# KiCad board V1.1_version_control.kicad_pcb (continued)
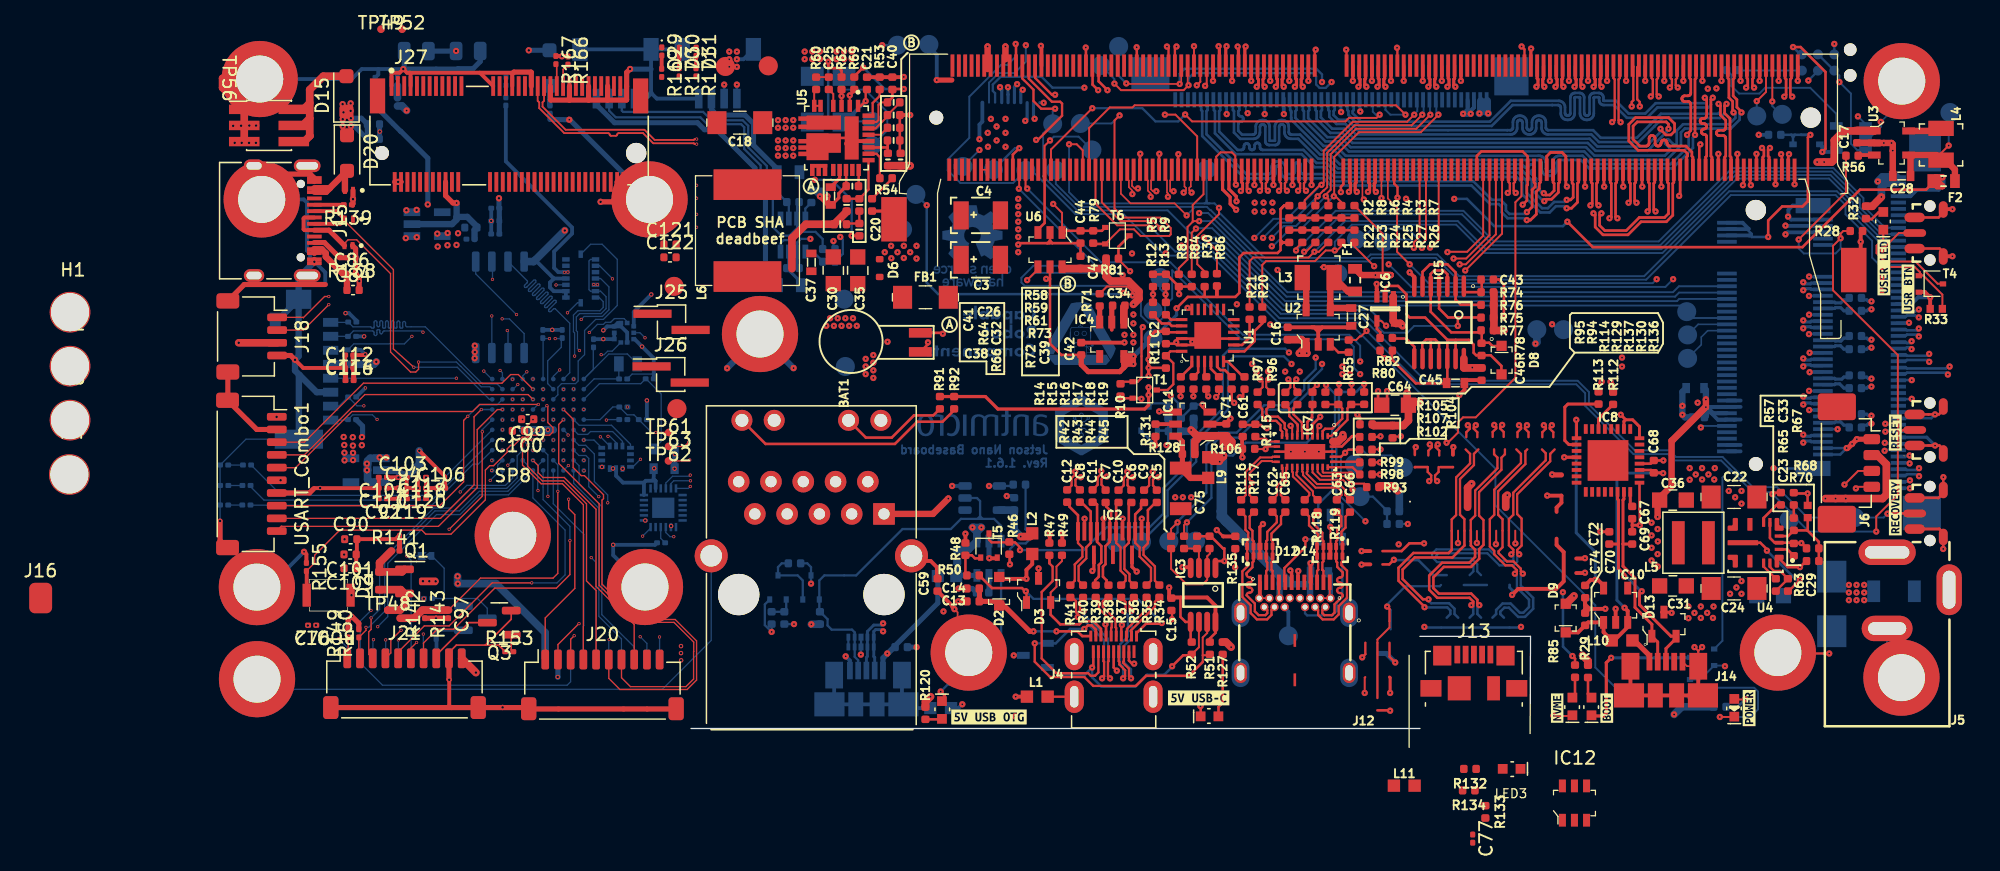
[diagram p0: board, top side]
## Routing (per net, layer and track width the routed paths; a pad name or vN(x,y) marks a point on that pad's centre or on a via; arc(x,y) is an arc through that point) (continued)
/Display/TMDS_D0_P: length 70.7
  Top w0.18: v1(32.71,21.33) 32.49,21.33 32.29,21.13 32.29,20.68 32.64,20.33
  Top w0.25: v1(68.01,52.03) 68.13,52.15 68.13,52.61 68.07,52.68 68.07,53.69
  In3_SIGNAL.Cu w0.18: v1(68.01,52.03) 68.17,51.87 68.17,50.79 65.28,47.9 34.84,47.9 31.49,44.54 31.49,35.96 30.49,34.96 30.49,28.1 30.49,28.07 30.48,28.04 30.46,28.01 30.44,27.99 30.41,27.97 30.38,27.96 30.35,27.96 30.17,27.96 30.08,27.94 29.99,27.91 29.91,27.86 29.84,27.8 29.79,27.72 29.76,27.63 29.75,27.53 29.75,27.41 29.76,27.31 29.79,27.22 29.84,27.14 29.91,27.08 29.99,27.03 30.08,27 30.17,26.99 30.35,26.99 30.38,26.98 30.41,26.97 30.44,26.95 30.46,26.93 30.48,26.9 30.49,26.88 30.49,26.84 30.49,26.8 30.49,26.77 30.48,26.74 30.46,26.71 30.44,26.69 30.41,26.67 30.38,26.66 30.35,26.66 30.17,26.66 30.08,26.64 29.99,26.61 29.91,26.56 29.84,26.5 29.79,26.42 29.76,26.33 29.75,26.23 29.75,26.11 29.76,26.01 29.79,25.92 29.84,25.84 29.91,25.78 29.99,25.73 30.08,25.7 30.17,25.69 30.35,25.69 30.38,25.68 30.41,25.67 30.44,25.65 30.46,25.63 30.48,25.6 30.49,25.58 30.49,25.54 30.49,23.12 31.81,21.8 31.81,21.54 32.05,21.3 32.49,21.3 32.52,21.33 v1(32.71,21.33)
/Display/TMDS_D1_C_N: length 9.4
  Top w0.18: R37.2 34.19,11.46 34.19,10.91 v1(34.03,10.75) ; J4.8 33.65,6.79 33.7,6.74 33.7,6.53 34.15,6.07 34.15,5.6 v1(33.99,5.44)
  Bottom w0.18: v1(33.99,5.44) 33.99,6.34 33.76,6.57 33.76,8.12 34.37,8.73 34.37,10.41 v1(34.03,10.75)
/Display/TMDS_D1_C_P: length 9.4
  Top w0.18: v1(34.67,10.76) 34.5,10.93 34.5,11.46 R36.2 ; J4.6 34.05,6.79 34,6.74 34,6.65 34.46,6.2 34.46,5.6 v1(34.62,5.44)
  Bottom w0.18: v1(34.62,5.44) 34.62,6.15 34.06,6.7 34.06,7.99 34.67,8.6 34.67,10.76 v1(34.67,10.76)
/Display/TMDS_D1_N: length 70.7
  Top w0.18: 33.69,20.28 34.04,20.63 34.04,21.21 34.32,21.49 v1(34.32,21.72)
  Top w0.25: v1(70.13,52.03) 70.01,52.15 70.01,52.61 70.07,52.68 70.07,53.69
  In3_SIGNAL.Cu w0.18: v1(70.13,52.03) 69.97,51.87 69.97,50.11 66.75,46.89 39.75,46.89 38.81,45.95 34.71,45.95 32.69,43.93 32.69,35.13 32.09,34.53 32.09,31.71 32.1,31.68 32.11,31.65 32.13,31.62 32.15,31.6 32.18,31.58 32.21,31.57 32.24,31.57 32.42,31.57 32.52,31.56 32.61,31.52 32.69,31.47 32.75,31.41 32.8,31.32 32.84,31.23 32.85,31.14 32.85,31.02 32.84,30.93 32.8,30.84 32.75,30.76 32.69,30.69 32.61,30.64 32.52,30.61 32.42,30.6 32.24,30.6 32.21,30.59 32.18,30.58 32.15,30.56 32.13,30.54 32.11,30.51 32.1,30.48 32.09,30.45 32.09,23.49 33.11,22.48 33.14,22.45 33.18,22.44 33.21,22.43 33.25,22.43 33.29,22.44 33.33,22.45 33.36,22.48 33.49,22.6 33.52,22.63 33.55,22.65 33.59,22.66 33.63,22.66 33.67,22.65 33.71,22.63 33.74,22.6 33.77,22.57 33.78,22.54 33.79,22.5 33.79,22.46 33.78,22.42 33.77,22.38 33.74,22.35 33.62,22.23 33.59,22.19 33.57,22.16 33.57,22.12 33.57,22.08 33.57,22.04 33.59,22 33.62,21.97 33.89,21.7 34.3,21.7 v1(34.32,21.72)
/Display/TMDS_D1_P: length 70.7
  Top w0.18: 34.69,20.28 34.34,20.63 34.34,21.08 34.54,21.28 v1(34.76,21.28)
  Top w0.25: v1(69.51,52.03) 69.63,52.15 69.63,52.61 69.57,52.68 M1.71
  In3_SIGNAL.Cu w0.18: v1(34.76,21.28) 34.73,21.25 33.91,21.25 31.79,23.37 31.79,30.47 31.8,30.57 31.83,30.66 31.88,30.74 31.95,30.81 32.03,30.86 32.12,30.89 32.22,30.9 32.39,30.9 32.43,30.9 32.46,30.92 32.49,30.93 32.51,30.96 32.53,30.98 32.54,31.02 32.54,31.05 32.54,31.11 32.54,31.15 32.53,31.18 32.51,31.21 32.49,31.23 32.46,31.25 32.43,31.26 32.39,31.26 32.22,31.26 32.12,31.27 32.03,31.3 31.95,31.35 31.88,31.42 31.83,31.5 31.8,31.59 31.79,31.69 31.79,34.66 32.39,35.26 32.39,44.06 34.58,46.25 38.68,46.25 39.63,47.2 66.63,47.2 69.67,50.24 69.67,51.87 v1(69.51,52.03)
/Display/TMDS_D2_C_N: length 4
  Top w0.18: J4.5 34.25,9.07 34.3,9.12 34.3,9.33 36.19,11.22 36.19,11.46 R35.2
/Display/TMDS_D2_C_P: length 4
  Top w0.18: J4.3 34.65,9.07 34.6,9.12 34.6,9.2 36.49,11.09 36.49,11.46 R34.2
/Display/TMDS_D2_N: length 70.8
  Top w0.18: v1(36.32,21.72) 36.32,21.49 36.04,21.21 36.04,20.63 35.69,20.28
  Top w0.25: v1(71.63,52.03) 71.51,52.15 71.51,52.61 71.57,52.68 71.57,53.69
  In3_SIGNAL.Cu w0.18: v1(36.32,21.72) 36.18,21.58 36.07,21.58 35.65,22 35.62,22.04 35.61,22.07 35.6,22.11 35.6,22.15 35.61,22.19 35.62,22.23 35.65,22.26 35.74,22.35 35.76,22.38 35.78,22.41 35.79,22.45 35.79,22.49 35.78,22.53 35.76,22.57 35.74,22.6 35.71,22.63 35.67,22.64 35.63,22.65 35.59,22.65 35.55,22.64 35.51,22.63 35.48,22.6 35.39,22.51 35.36,22.49 35.33,22.47 35.29,22.46 35.25,22.46 35.21,22.47 35.17,22.49 35.14,22.51 33.49,24.16 33.49,26.44 33.5,26.46 33.5,26.48 33.51,26.5 33.53,26.52 33.55,26.53 33.57,26.54 33.59,26.54 33.76,26.54 33.85,26.55 33.93,26.57 34,26.62 34.06,26.68 34.1,26.75 34.13,26.83 34.14,26.91 34.14,27.13 34.13,27.22 34.1,27.29 34.06,27.37 34,27.43 33.93,27.47 33.85,27.5 33.76,27.51 33.59,27.51 33.57,27.51 33.55,27.52 33.53,27.53 33.51,27.54 33.5,27.56 33.5,27.58 33.49,27.6 33.49,43.23 35.1,44.84 38.8,44.84 40.1,46.14 67.45,46.14 71.47,50.16 71.47,51.87 v1(71.63,52.03)
/Display/TMDS_D2_P: length 70.8
  Top w0.18: 36.69,20.28 36.34,20.63 36.34,21.08 36.54,21.28 v1(36.76,21.28)
  Top w0.25: v1(71.01,52.03) 71.13,52.15 71.13,52.61 71.07,52.68 71.07,53.69
  In3_SIGNAL.Cu w0.18: v1(36.76,21.28) 36.57,21.28 36.54,21.25 36.1,21.25 36.07,21.28 35.95,21.28 33.19,24.03 33.19,26.47 33.2,26.55 33.23,26.63 33.27,26.7 33.33,26.76 33.4,26.81 33.48,26.83 33.57,26.84 33.74,26.84 33.76,26.85 33.78,26.85 33.8,26.86 33.81,26.88 33.83,26.9 33.83,26.92 33.84,26.94 33.84,27.11 33.83,27.13 33.83,27.15 33.81,27.17 33.8,27.18 33.78,27.19 33.76,27.2 33.74,27.2 33.57,27.2 33.48,27.21 33.4,27.24 33.33,27.28 33.27,27.34 33.23,27.42 33.2,27.5 33.19,27.58 33.19,43.36 34.98,45.15 38.68,45.15 39.98,46.45 67.33,46.45 71.17,50.29 71.17,51.87 v1(71.01,52.03)
/Display/TMDS_HPD_IN: length 19.4
  Top w0.18: v1(26.34,12.3) 26.39,12.25 D3.1
  Top w0.2: J4.1 35.05,8.99 35.8,9.74 36.99,9.74 v1(37.04,9.8) ; R50.1 23.68,12.55 26.04,12.55 26.29,12.3 v1(26.34,12.3)
  Bottom w0.18: v1(37.04,9.8) 35.14,11.7 26.94,11.7 v1(26.34,12.3)
/Display/TMDS_SCL: length 46.7
  Top w0.15: M1.100 62.32,40.29 61.06,39.03 59.53,39.03 v1(59.51,39.01) ; v1(38.28,17.72) 37.77,17.21 37.77,16.63
  In3_SIGNAL.Cu w0.15: v1(49.14,30.7) 49.34,30.9 49.34,32.79 51.95,35.4 57.24,35.4 59.44,37.6 59.44,38.94 v1(59.51,39.01)
  Bottom w0.18: v1(49.14,30.7) 49.14,29.8 48.24,28.9 48.24,28.2 46.99,26.95 45.09,26.95 42.93,24.79 41.5,24.79 40.54,23.83 40.54,20.05 38.28,17.78 v1(38.28,17.72) 38.28,16.93 TP28.1
/Display/TMDS_SCL_5V0: length 26.1
  Top w0.15: IC3.7 40.61,9 40.26,8.65 40.26,7.26 ; 40.81,7.26 40.26,7.26 40.26,7.26 ; 40.26,7.26 40.26,6.72
  Top w0.18: v1(27.04,8.2) 27.04,6.75 28.25,5.54 30.95,5.54 31.65,4.84 35,4.84
  Top w0.2: J4.17 31.85,9.28 31.51,9.61 31.22,9.61 v1(30.94,9.33) ; 40.26,6.72 39.17,5.64 35.8,5.64 35,4.84
  Bottom w0.18: v1(27.04,8.2) D4.1
  Bottom w0.2: v1(30.94,9.33) 29.82,9.33 28.69,8.2 D4.1
/Display/TMDS_SDA: length 46.3
  Top w0.15: M1.98 62.82,40.33 60.98,38.5 v1(59.99,38.5) ; v1(39.01,17.72) 38.79,17.5 38.79,16.63
  In3_SIGNAL.Cu w0.15: v1(49.64,30.2) 49.69,30.25 49.69,32.65 52.04,35 57.43,35 59.94,37.51 59.94,38.45 v1(59.99,38.5)
  Bottom w0.18: v1(49.64,30.2) 49.64,29.8 48.59,28.74 48.59,27.99 47.19,26.6 45.29,26.6 43.09,24.4 41.59,24.4 40.94,23.75 40.94,19.65 v1(39.01,17.72) 39.01,16.93 TP29.1
/Display/TMDS_SDA_5V0: length 18
  Top w0.15: 39.39,7.26 39.39,7.26 ; R52.2 39.96,7.89 39.96,9.88
  Top w0.2: J4.18 31.65,6.39 v1(31.55,6.29) ; 39.39,7.25 38.71,7.25 v1(37.85,6.39)
  Bottom w0.2: D4.2 28.29,6.3 28.84,5.75 31.01,5.75 v1(31.55,6.29) 31.55,5.52 32.28,4.79 34.95,4.79 35.88,5.71 37.23,5.71 37.85,6.34 v1(37.85,6.39)
/ID Serial/EEPROM_PWR: length 12.5
  Top w0.2: v1(89,46.89) 89.25,47.14 89.25,53.19 87.29,55.15 v1(86.7,55.15)
  Bottom w0.2: v1(86.7,55.15) 87.27,54.57 TP1.1
  Bottom w0.3: D1.C 89,47.3 v1(89,46.89) 89.95,46.89 IC1.4
/ID Serial/SN_WP: length 11.9
  Bottom w0.15: R1.1 81.85,52.96 81.85,52.09 82.45,51.49 84.05,51.49 84.5,51.94 88.05,51.94 90.1,49.89 IC1.5
/Interfaces/C_PCIE0_TX0_N: length 2.2
  Bottom w0.25: J7.47 89.96,34.56 90.02,34.63 90.45,34.63 90.7,34.38 91.12,34.38
/Interfaces/C_PCIE0_TX0_P: length 2.2
  Bottom w0.25: J7.49 89.96,35.06 90.02,35 90.45,35 90.7,35.25 91.12,35.25
/Interfaces/C_PCIE0_TX1_N: length 2.2
  Bottom w0.25: 91.12,31.36 90.7,31.36 90.43,31.63 90.02,31.63 89.96,31.56 J7.35
/Interfaces/C_PCIE0_TX1_P: length 2.2
  Bottom w0.25: J7.37 89.96,32.06 90.02,32 90.47,32 90.7,32.23 91.12,32.23
/Interfaces/C_PCIE0_TX2_N: length 2.2
  Bottom w0.25: 91.12,28.29 90.7,28.29 90.36,28.63 90.02,28.63 89.96,28.56 J7.23
/Interfaces/C_PCIE0_TX2_P: length 2.2
  Bottom w0.25: 91.12,29.17 90.7,29.17 90.53,29 90.02,29 89.96,29.06 J7.25
/Interfaces/C_PCIE0_TX3_N: length 2.2
  Bottom w0.25: 91.12,25.37 90.7,25.37 90.44,25.63 90.02,25.63 89.96,25.56 J7.11
/Interfaces/C_PCIE0_TX3_P: length 2.2
  Bottom w0.25: 91.12,26.25 90.7,26.25 90.45,26 90.02,26 89.96,26.06 J7.13
/Interfaces/CANH: length 25.5
  Bottom w0.18: J8.2 -6.44,50.14 -5.92,49.62 0.74,49.62 1.28,49.08 3.94,49.08 4.19,48.83 4.19,47.12 5.48,45.83 5.48,44.42 6.44,43.46 6.44,40.98 7.12,40.3 7.74,40.3 8.34,40.9 U7.7 8.34,42.78 R90.2
/Interfaces/CANL: length 20
  Bottom w0.18: J8.3 -5.44,50.14 -5.34,50.04 0.95,50.04 1.61,49.38 4.07,49.38 4.5,48.95 4.5,47.25 5.97,45.78 5.97,44.51 R90.1 7.69,42.78 U7.6
/NextPx4/AUX_PC0: length 3.1
  In3_SIGNAL.Cu w0.1: v4(-6.66,25.78) -7.66,25.78 v4(-8.43,25.01)
  Bottom w0.1: R152.2 -6.62,25.82 v4(-6.66,25.78)
/NextPx4/AUX_PC13: length 22.6
  Top w0.1: J20.3 -9.47,8.52 v4(-9.19,8.8)
  In2.Cu w0.1: -9.16,8.83 -9.16,16.11 -8.84,16.42 -8.84,28.62 v4(-9.23,29.01)
  In2.Cu w0.125: v4(-9.19,8.8) -9.16,8.83 ; v4(-9.23,29.01) -9.23,29.07
/NextPx4/AUX_PD4: length 23.2
  Top w0.1: v4(-9.63,19.55) -9.63,18.81 -9.14,18.33 -9.14,12.52 -11.47,10.2 J20.1
  Top w0.125: -9.68,19.55 v4(-9.63,19.55) -9.64,19.55 ; v4(-13.25,26.6) -13.24,26.6
  In2.Cu w0.1: v4(-13.25,26.6) -11.87,26.6 -11.24,25.97 -11.24,25.65 -10.44,24.84 -10.44,20.97 -9.63,20.17 v4(-9.63,19.55)
/NextPx4/AUX_PH1: length 20.9
  Top w0.1: -8.82,9.75 -10.47,8.1 J20.2
  Top w0.125: -8.82,9.75 v4(-8.81,9.75)
  In2.Cu w0.1: v4(-8.44,26.62) -8.03,26.21 -8.03,15.31 -8.81,14.53 v4(-8.81,9.75)
/NextPx4/BAT_I: length 15.9
  Bottom w0.1: U22.K4 -10.84,19.18 -8.43,16.78 -8.43,9.59 -8.47,9.55 J19.7
/NextPx4/BAT_V: length 22.9
  Top w0.1: v4(-10.48,20.17) -10.48,13.71 -10.85,13.33 -16.56,13.33 C97.1
  Top w0.6: R142.2 -21.78,10.17 -21.14,10.81 R143.1 C97.1
  Bottom w0.1: v4(-10.48,20.17) -10.48,20.17 -10.48,22.25 U22.J4
/NextPx4/BMI_Accel_CS: length 12.9
  In2.Cu w0.1: v4(-10.04,27.41) -9.65,27.79 -9.65,29.78 -7.48,31.96 -7.48,33.59 -6.16,34.91 -6.16,36.88 v4(-6.18,36.9)
  Bottom w0.1: v4(-6.18,36.9) -6.18,36.91 -7.19,37.93 -7.51,37.93
/NextPx4/BMI_Accel_Data_RDY: length 17.8
  Bottom w0.1: -8.68,38.84 -7.9,39.62 -6.99,39.62 -5.8,38.43 -5.8,34.8 -6.89,33.71 -7.5,33.71 -8.37,32.83 -8.37,30.93 -8.88,30.43 -8.88,28.86 -9.09,28.65 -10.19,28.65 -10.48,28.36 -10.48,27.77 U22.C4
/NextPx4/BMI_Gryo_CS: length 11.3
  In2.Cu w0.1: v4(-10.62,36.42) -8.26,34.06 -8.26,33.55 -8.76,33.06 -8.76,32.38 -10.76,30.38 -10.76,28.93 v4(-10.03,28.2)
  Bottom w0.1: v4(-10.62,36.42) -10.61,36.43 U25.5
/NextPx4/BMI_Gyro_Data_RDY: length 13.8
  In2.Cu w0.1: v4(-10.84,26.61) -10.84,26.61 -10.84,28.69 -10.98,28.83 -10.98,30.47 -9.13,32.33 -9.13,33.22 v4(-8.64,33.71)
  Bottom w0.1: -7.51,36.93 -7.12,36.93 -6.46,36.27 -6.46,34.46 -6.98,33.94 -8.41,33.94 v4(-8.64,33.71)
/NextPx4/BMP_Data_RDY: length 6.6
  In3_SIGNAL.Cu w0.1: -10.34,29.74 -8.26,29.74 v4(-7.07,30.93)
  Bottom w0.1: U27.7 -6.21,31.2 -6.56,31.2 -6.84,30.93 v4(-7.07,30.93) ; v4(-10.33,29.73) -10.84,29.22 U22.A4
/NextPx4/Buzzer-: length 5.3
  Top w0.125: Q3.3 -17.48,9.83 -20.04,7.26 J21.8
/NextPx4/Buzzer_RGB_LED: length 21.4
  Top w0.1: v4(-19.03,17.18) -16.43,19.78 -16.43,24.85 ; v4(-21.59,8.27) -22.04,7.81 J21.6
  Top w0.15: v4(-16.42,24.86) -16.43,24.85
  In2.Cu w0.1: v4(-21.59,8.27) -21.59,14.62 v4(-19.03,17.18)
  Bottom w0.1: U22.E10 -16.42,25.03
  Bottom w0.15: -16.42,25.03 v4(-16.42,24.86)
/NextPx4/Extern_I2C_INT_PE15: length 24
  Top w0.1: v4(-25.17,10.2) -25.17,9.29 -25.35,9.11 -25.35,7.32 J21.3
  Bottom w0.1: v4(-25.17,10.2) -24.5,10.87 -24.5,14.59 -22.77,16.31 -22.77,16.31 -22.53,16.55 -22.53,16.55 -20.23,18.85 -18.85,18.85 -17.31,20.4 -14.5,20.4 -13.68,21.22 -13.68,22.97 U22.H7
/NextPx4/Extern_IMU_Heater: length 24
  Top w0.1: v4(-9.53,16.29) -9.53,13.61 -10.59,12.55 -15.44,12.55 -18.68,9.31 -19.96,9.31 -21.04,8.22 J21.7
  Bottom w0.1: U22.K5 -11.64,19.51 -9.53,17.41 v4(-9.53,16.29)
/NextPx4/Extern_SPI_CS_1_PE13: length 25.4
  Top w0.1: -23.04,7.51 -20.98,9.57 -19.03,9.57 -15.64,12.96 v4(-12.53,12.96)
  Top w0.15: -23.04,7.51 J21.5
  Bottom w0.1: -12.44,21.81 -12.44,19.64 -9.91,17.11 -9.91,13.59 -10.54,12.96 v4(-12.53,12.96)
  Bottom w0.15: U22.K6 -12.44,21.81
/NextPx4/Extern_SPI_CS_2_PE14: length 20.7
  Top w0.1: v4(-12.85,23.81) -12.85,22.14 -11.7,20.99 -10.03,20.99 -8.22,19.18 -8.22,13.11 -7.47,12.36 J20.5
  Bottom w0.1: v4(-12.85,23.81) -12.85,23.82 U22.G7
/NextPx4/Extern_SPI_INT_1_PE10: length 20.9
  Top w0.1: U22.G6 v4(-12.44,24.21) -13.01,24.21 -13.26,23.96 -13.26,22.23 -11.79,20.76 -10.12,20.76 -8.47,19.11 J20.4
/NextPx4/Extern_SPI_INT_2_PE11: length 22.1
  Top w0.1: J21.4 -23.62,7.44 -23.62,8.43 -22.84,9.21
  Top w0.15: -22.84,9.21 v4(-22.81,9.23) -22.82,9.21
  In2.Cu w0.1: v4(-12.43,23.41) -12.85,22.99 -12.85,22.45 -14.67,20.63 -16.14,20.63 -22.81,13.96 v4(-22.81,9.23)
/NextPx4/I2C1_SCL: length 11.8
  In3_SIGNAL.Cu w0.1: v4(-10.68,32.19) -10.68,32.19 -8.49,32.19 v4(-8,32.68)
  Bottom w0.1: U27.2 -5.02,33.53 -5.26,33.77 -6.03,33.77 -6.32,33.48 -6.73,33.48 -6.89,33.31 -7.36,33.31 v4(-8,32.68) ; v4(-10.68,32.19) -10.18,32.19 R160.2 ; U22.B4 -11.28,28.65 -11.28,30.44 -10.21,31.51 -10.21,32.16 R160.2 ; R160.2 -10.15,32.24
/NextPx4/I2C1_SDA: length 12.9
  In3_SIGNAL.Cu w0.1: v4(-3.62,32.26) -3.76,32.26 -4.28,31.73 -7.07,31.73 -7.16,31.82 -10.84,31.82 -11.13,32.11 v4(-11.13,32.19)
  Bottom w0.1: U22.A5 -11.64,32.21 R159.2 ; v4(-11.13,32.19) -11.62,32.19 R159.2 ; U27.4 -4.01,32.65 v4(-3.62,32.26) ; R159.2 -11.58,32.16
/NextPx4/I2C2_SCL: length 24.9
  Top w0.1: v4(-26.97,8.66) -26.97,7.08 J21.1
  In2.Cu w0.1: v4(-24.65,9.51) -25.49,8.66 v4(-26.97,8.66)
  Bottom w0.1: v4(-24.65,9.51) -23.86,10.29 -23.86,14.49 -20.02,18.34 -18.16,18.34 -16.61,19.89 -14.35,19.89 -12.86,21.38 -12.86,22.24 U22.J7
/NextPx4/I2C2_SDA: length 22.8
  Top w0.1: J21.2 -26.13,7.1 R150.1 -25.57,9.23 v4(-25.57,9.46)
  Bottom w0.1: v4(-25.57,9.46) -25.36,9.46 -24.1,10.72 -24.1,14.67 -22.68,16.09 -22.67,16.09 -22.31,16.45 -22.31,16.46 -20.14,18.63 -18.21,18.63 -16.66,20.17 -14.41,20.17 -13.24,21.34 U22.K7
/NextPx4/ICM_Data_RDY: length 7.8
  In3_SIGNAL.Cu w0.1: v4(-10.04,24.21) -9.6,24.21 -8.82,23.43 -8.82,23.26 -8.6,23.04 -7.86,23.04 -7.5,22.69 v4(-3.98,22.69)
  Bottom w0.1: v4(-3.98,22.69) -4.57,22.09 U24.4
/NextPx4/ICM_~{CS}: length 4.7
  In3_SIGNAL.Cu w0.1: v4(-9.67,24.6) -8.9,23.83 -8.28,23.83 -7.65,24.46 v4(-7.13,24.46)
  Bottom w0.1: v4(-7.13,24.46) -7.12,24.46 U24.12 ; U22.F3 -9.67,24.64 v4(-9.67,24.6)
/NextPx4/LED_BLUE: length 21.5
  Bottom w0.1: D27.2 -34.65,20.53 -33.6,19.48 -20.38,19.48 -19.61,20.25 -19.6,20.25 U22.G10
/NextPx4/LED_GREEN: length 20.8
  Bottom w0.1: U22.H10 -16.73,22.32 -17.14,22.32 -20.38,19.08 -34.65,19.08 D28.2
/NextPx4/LED_RED: length 22.1
  Bottom w0.1: U22.F10 -20.8,19.85 -32.22,19.85 D26.2
/NextPx4/MPU_Data_RDY: length 11.9
  In3_SIGNAL.Cu w0.1: v4(-3.81,16.64) -3.81,17.05 -6.9,20.14 -8.59,20.14 -9.81,21.35 -10.2,21.35 -10.45,21.61 -10.45,23.06 -10.8,23.41 v4(-10.84,23.41)
  Bottom w0.1: U26.12 -3.18,17.26 v4(-3.81,16.64)
/NextPx4/MPU_~{CS}: length 14.7
  In3_SIGNAL.Cu w0.1: v4(-0.06,21.44) -7.55,21.44 -8.34,22.23 -8.58,22.23 -9.04,22.69 -9.04,22.94 -9.93,23.83 -10.46,23.83 v4(-10.84,24.21)
  Bottom w0.1: v4(-0.06,21.44) -0.15,21.36 -1.45,21.36 -1.98,20.82 U26.22
/NextPx4/NRST: length 7.9
  Top w0.1: v4(-2.77,24.8) TP61.1
  Bottom w0.1: v4(-2.77,24.8) -3.1,24.8 C105.1 -4.49,26.19 -5.03,26.19 R154.2 -6.16,26.81 -7.16,25.81 U22.E1
/NextPx4/PWM/DSHOT_CH1: length 21.6
  In3_SIGNAL.Cu w0.1: v4(-2.48,8.7) -2.94,9.16 -5,9.16 -5.94,10.1 -5.94,12.55 -6.56,13.16 v4(-6.56,19.26)
  Bottom w0.1: J19.1 -2.47,8.69 v4(-2.48,8.7) ; U22.G2 -8.82,23.79 -8.29,23.79 -7.6,23.1 -7.6,20.93 -6.56,19.88 v4(-6.56,19.26)
/NextPx4/PWM/DSHOT_CH2: length 19.7
  In3_SIGNAL.Cu w0.1: v4(-7.26,19.75) -7.26,13.54 -6.17,12.45 -6.17,10.01 -4.88,8.72 v4(-4,8.72)
  Bottom w0.1: v4(-4,8.72) -3.47,8.19 J19.2 ; v4(-7.26,19.75) -8.05,20.54 -8.05,22.76 -8.28,22.99 -8.82,22.99 U22.H2
/NextPx4/PWM/DSHOT_CH3: length 17.6
  Bottom w0.1: J19.3 -4.47,7.91 -7.02,10.46 -7.02,18.97 -8.81,20.76 -8.81,22.18 U22.J2
/NextPx4/PWM/DSHOT_CH4: length 16.4
  Bottom w0.1: J19.4 -5.47,8.55 -7.25,10.33 -7.25,18.73 -7.26,18.74 -7.26,18.84 -9.24,20.81 U22.K2
/NextPx4/PWM/DSHOT_CH5: length 21.9
  In3_SIGNAL.Cu w0.1: v4(-14.04,23.41) -14.04,20.98 -13.96,20.9 -10.01,20.9 -8.85,19.75 -8.85,14.82 -6.44,12.41 v4(-6.44,8.5)
  Bottom w0.1: v4(-6.44,8.5) -6.47,8.46 J19.5
/NextPx4/PWM/DSHOT_CH6: length 22.1
  In3_SIGNAL.Cu w0.1: -13.66,21.38 -13.66,21.29 -13.5,21.13 -9.92,21.13 -7.85,19.06 v4(-7.85,14.95) ; -13.66,21.38 -13.67,21.38 ; -13.66,21.38 -13.66,23.83 v4(-14.04,24.21)
  Bottom w0.1: v4(-7.85,14.95) -7.48,14.58 -7.48,6.94 J19.6
/NextPx4/QSPI_BK1_IO0: length 19.8
  In2.Cu w0.1: v4(-14.86,33.75) -15.55,33.05 -15.55,32.38 arc(-15.58,32.3) -15.66,32.26 -15.92,32.26 arc(-16,32.23) -16.03,32.15 arc(-16,32.07) -15.92,32.04 -15.18,32.04 arc(-15.1,32.01) -15.07,31.93 arc(-15.1,31.85) -15.18,31.81 -15.92,31.81 arc(-16,31.78) -16.03,31.7 arc(-16,31.62) -15.92,31.59 -15.18,31.59 arc(-15.1,31.56) -15.07,31.48 arc(-15.1,31.4) -15.18,31.36 -15.92,31.36 arc(-16,31.33) -16.03,31.25 arc(-16,31.17) -15.92,31.14 -15.18,31.14 arc(-15.1,31.11) -15.07,31.03 arc(-15.1,30.95) -15.18,30.91 -15.92,30.91 arc(-16,30.88) -16.03,30.8 arc(-16,30.72) -15.92,30.69 -15.66,30.69 arc(-15.58,30.66) -15.55,30.58 -15.55,24.92 v4(-14.84,24.21)
  Bottom w0.1: v4(-14.86,33.75) -14.29,33.75 -13.13,32.59 U28.5
/NextPx4/QSPI_BK1_IO1: length 19.9
  In2.Cu w0.1: v4(-15.68,21.81) -18.96,25.09 -18.96,34.64 -17.84,34.64 v4(-15.62,36.86)
  Bottom w0.1: v4(-15.62,36.86) -15.62,38.21 U28.2
/NextPx4/QSPI_BK1_IO2: length 22.9
  Bottom w0.1: U22.A3 -9.54,29.51 -9.54,33.4 -10.67,34.52 arc(-10.75,34.56) -10.83,34.52 -11.01,34.33 arc(-11.09,34.3) -11.17,34.33 arc(-11.21,34.41) -11.17,34.49 -10.64,35.03 arc(-10.6,35.11) -10.64,35.19 arc(-10.72,35.22) -10.79,35.19 -11.33,34.65 arc(-11.41,34.62) -11.49,34.65 arc(-11.53,34.73) -11.49,34.81 -10.95,35.35 arc(-10.92,35.43) -10.95,35.51 arc(-11.03,35.54) -11.11,35.51 -11.65,34.97 arc(-11.73,34.94) -11.81,34.97 arc(-11.84,35.05) -11.81,35.13 -11.27,35.67 arc(-11.24,35.75) -11.27,35.83 arc(-11.35,35.86) -11.43,35.83 -11.97,35.29 arc(-12.05,35.26) -12.13,35.29 arc(-12.16,35.37) -12.13,35.45 -11.59,35.99 arc(-11.56,36.07) -11.59,36.15 arc(-11.67,36.18) -11.75,36.15 -12.29,35.61 arc(-12.37,35.57) -12.45,35.61 arc(-12.48,35.69) -12.45,35.77 -11.91,36.3 arc(-11.88,36.38) -11.91,36.46 arc(-11.99,36.5) -12.07,36.46 -12.61,35.92 arc(-12.69,35.89) -12.76,35.92 arc(-12.8,36) -12.76,36.08 -12.23,36.62 arc(-12.19,36.7) -12.23,36.78 arc(-12.31,36.81) -12.39,36.78 -12.92,36.24 arc(-13,36.21) -13.08,36.24 arc(-13.12,36.32) -13.08,36.4 -12.89,36.59 arc(-12.86,36.67) -12.89,36.75 U28.3
/NextPx4/QSPI_BK1_IO3: length 19.8
  In2.Cu w0.1: v4(-15.68,22.61) -15.85,22.61 -18.68,25.44 -18.68,25.58 arc(-18.65,25.66) -18.57,25.69 -18.32,25.69 arc(-18.24,25.72) -18.21,25.8 arc(-18.24,25.88) -18.32,25.91 -18.57,25.91 arc(-18.65,25.95) -18.68,26.03 arc(-18.65,26.11) -18.57,26.14 -18.32,26.14 arc(-18.24,26.17) -18.21,26.25 arc(-18.24,26.33) -18.32,26.36 -18.57,26.36 arc(-18.65,26.4) -18.68,26.48 arc(-18.65,26.56) -18.57,26.59 -18.32,26.59 arc(-18.24,26.62) -18.21,26.7 arc(-18.24,26.78) -18.32,26.81 -18.57,26.81 arc(-18.65,26.85) -18.68,26.93 arc(-18.65,27.01) -18.57,27.04 -18.32,27.04 arc(-18.24,27.07) -18.21,27.15 arc(-18.24,27.23) -18.32,27.26 -18.57,27.26 arc(-18.65,27.3) -18.68,27.38 -18.68,27.86 -16.38,30.16 -16.38,33.28 v4(-15.68,33.98)
  Bottom w0.1: U28.7 -15.67,33.97 v4(-15.68,33.98)
/NextPx4/QSPI_BK1_~{CS}: length 19.8
  In2.Cu w0.1: v4(-13.73,34.09) -13.73,34.06 -13.52,33.85 arc(-13.44,33.81) -13.36,33.85 -13.18,34.02 arc(-13.1,34.06) -13.02,34.02 arc(-12.99,33.94) -13.02,33.86 -13.54,33.35 arc(-13.57,33.27) -13.54,33.19 arc(-13.46,33.16) -13.38,33.19 -12.86,33.7 arc(-12.78,33.74) -12.7,33.7 arc(-12.67,33.63) -12.7,33.55 -13.22,33.03 arc(-13.25,32.95) -13.22,32.87 arc(-13.14,32.84) -13.06,32.87 -12.55,33.39 arc(-12.47,33.42) -12.39,33.39 arc(-12.35,33.31) -12.39,33.23 -12.9,32.71 arc(-12.93,32.63) -12.9,32.56 arc(-12.82,32.52) -12.74,32.56 -12.23,33.07 arc(-12.15,33.1) -12.07,33.07 arc(-12.04,32.99) -12.07,32.91 -12.58,32.4 arc(-12.61,32.32) -12.58,32.24 arc(-12.5,32.2) -12.42,32.24 -11.91,32.75 arc(-11.83,32.78) -11.75,32.75 arc(-11.72,32.67) -11.75,32.59 -11.93,32.41 arc(-11.96,32.33) -11.93,32.26 -11.63,31.96 -11.63,28.22 v4(-11.64,28.21)
  Bottom w0.1: v4(-13.73,34.09) -13.74,34.09 -16.94,37.29 U28.1
/NextPx4/QSPI_CLK: length 19.8
  In2.Cu w0.1: v4(-14.45,32.83) -14.45,32.25 arc(-14.49,32.17) -14.57,32.13 -14.65,32.13 arc(-14.73,32.1) -14.76,32.02 arc(-14.73,31.94) -14.65,31.91 -14.11,31.91 arc(-14.03,31.88) -14,31.8 arc(-14.03,31.72) -14.11,31.68 -14.65,31.68 arc(-14.73,31.65) -14.76,31.57 arc(-14.73,31.49) -14.65,31.46 -14.11,31.46 arc(-14.03,31.43) -14,31.35 arc(-14.03,31.27) -14.11,31.23 -14.65,31.23 arc(-14.73,31.2) -14.76,31.12 arc(-14.73,31.04) -14.65,31.01 -14.11,31.01 arc(-14.03,30.98) -14,30.9 arc(-14.03,30.82) -14.11,30.78 -14.8,30.78 arc(-14.88,30.75) -14.91,30.67 arc(-14.88,30.59) -14.8,30.56 -14.11,30.56 arc(-14.03,30.53) -14,30.45 arc(-14.03,30.37) -14.11,30.33 -14.8,30.33 arc(-14.88,30.3) -14.91,30.22 arc(-14.88,30.14) -14.8,30.11 -14.11,30.11 arc(-14.03,30.08) -14,30 arc(-14.03,29.92) -14.11,29.88 -14.34,29.88 arc(-14.42,29.85) -14.45,29.77 -14.45,28.34 -14.87,27.92 -14.87,27.19 -14.41,26.73 -14.41,25.65 -14.19,25.43 -13.7,25.43 -12.86,24.6 -12.02,24.6 v4(-11.64,24.21)
  Bottom w0.1: U28.6 -14.4,32.77 v4(-14.45,32.83)
/NextPx4/SBUS: length 1.5
  Bottom w0.3: R148.2 -20.02,8.51 J17.3
/NextPx4/SCLK: length 24
  Top w0.1: v4(-0.18,24.04) -0.51,23.7 TP63.1
  In5_3V3_SYS_SIGNAL.Cu w0.1: v4(-0.18,24.04) -0.18,24.53 0.16,24.86 0.16,29.96 0.02,30.1 -14.6,30.1 v4(-15.02,29.68)
  Bottom w0.1: v4(-15.02,29.68) -14.84,29.5 U22.A9
/NextPx4/SDMMC1_CK: length 15.3
  In3_SIGNAL.Cu w0.1: v4(-14.04,27.41) -14.04,27.84 -14.4,28.21 -16.49,28.21 -17.35,29.07 v4(-18.46,29.07)
  Bottom w0.1: v4(-18.46,29.07) J23.5
/NextPx4/SDMMC1_CMD: length 18.2
  In3_SIGNAL.Cu w0.1: v4(-13.24,28.22) -13.24,28.72 -14.63,30.11 -17.41,30.11 -20.42,33.12 -21.26,33.12 -21.96,32.42 v4(-21.96,32.37)
  Bottom w0.1: v4(-21.96,32.37) -22.55,31.78 -26.53,31.78 R163.1 -27.03,31.27 J23.3
/NextPx4/SDMMC1_D0: length 18.9
  In3_SIGNAL.Cu w0.1: v4(-14.84,25.01) -15.17,25.34 -15.17,25.37 -21.86,25.37 arc(-21.94,25.34) -21.97,25.26 -21.97,25.03 arc(-22,24.95) -22.08,24.92 arc(-22.16,24.95) -22.2,25.03 -22.2,25.26 arc(-22.23,25.34) -22.31,25.37 arc(-22.39,25.34) -22.42,25.26 -22.42,25.03 arc(-22.45,24.95) -22.53,24.92 arc(-22.61,24.95) -22.65,25.03 -22.65,25.26 arc(-22.68,25.34) -22.76,25.37 arc(-22.84,25.34) -22.87,25.26 -22.87,25.03 arc(-22.9,24.95) -22.98,24.92 arc(-23.06,24.95) -23.1,25.03 -23.1,25.26 arc(-23.13,25.34) -23.21,25.37 arc(-23.29,25.34) -23.32,25.26 -23.32,25.03 arc(-23.35,24.95) -23.43,24.92 arc(-23.51,24.95) -23.55,25.03 -23.55,25.26 arc(-23.58,25.34) -23.66,25.37 arc(-23.74,25.34) -23.77,25.26 -23.77,25.03 arc(-23.8,24.95) -23.88,24.92 arc(-23.96,24.95) -24,25.03 -24,25.26 arc(-24.03,25.34) -24.11,25.37 -24.85,25.37 -25.74,26.26 v4(-25.74,26.9)
  Bottom w0.1: J23.7 -27.7,26.87 R164.1 -26.28,26.9 v4(-25.74,26.9)
